# Altium PCB netv2mvp-testhat-v1-route.PCBDOC (part 1 of 2)
Units mm, origin at the board's own origin, x right, y up, seen from the top; angles counter-clockwise.
Board outline 90.8 x 114.86 mm, 4 copper layers (L1, L2, L5, L6), stack 1.561 mm thick; 144 components, 114 nets, 1118 pads, 195 vias.
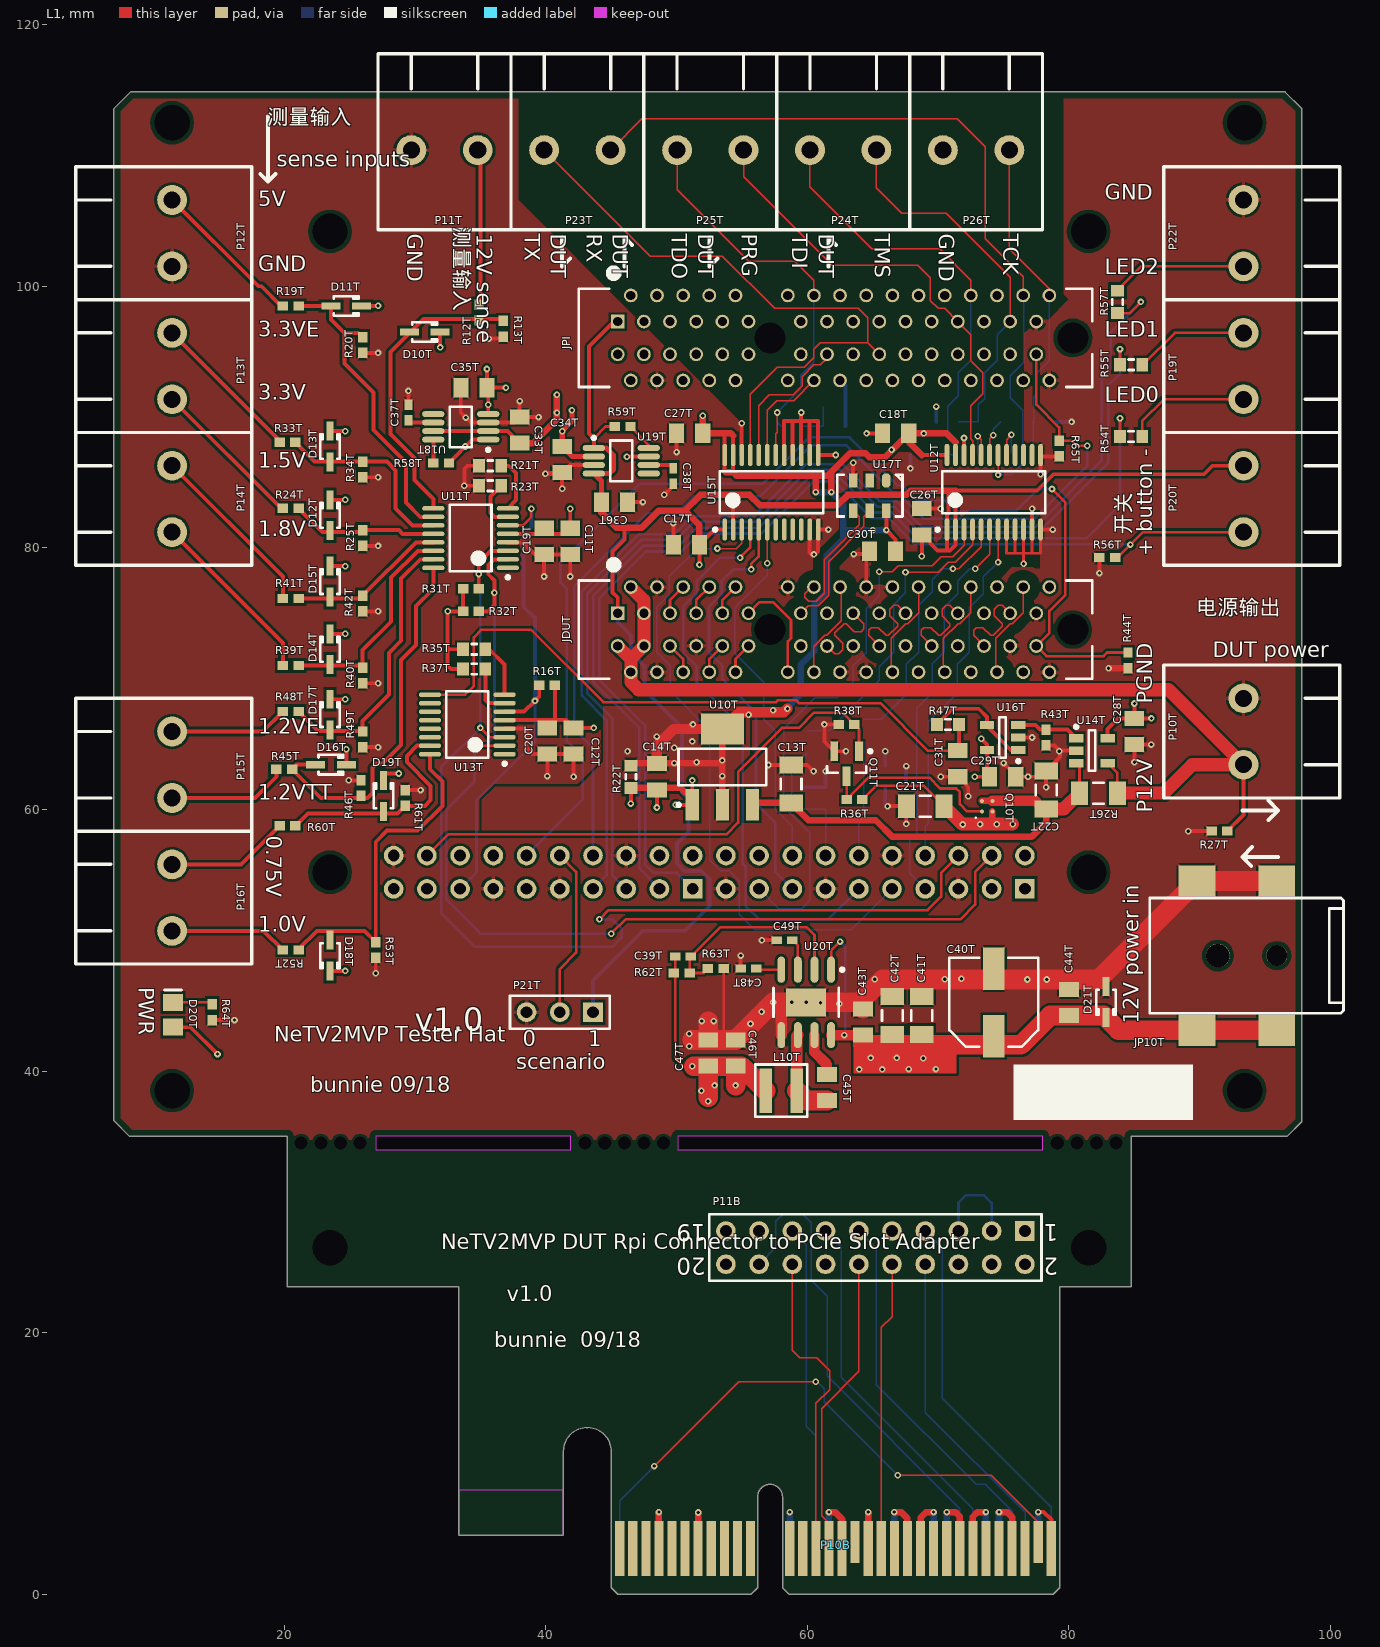
[diagram p0: L1 view]
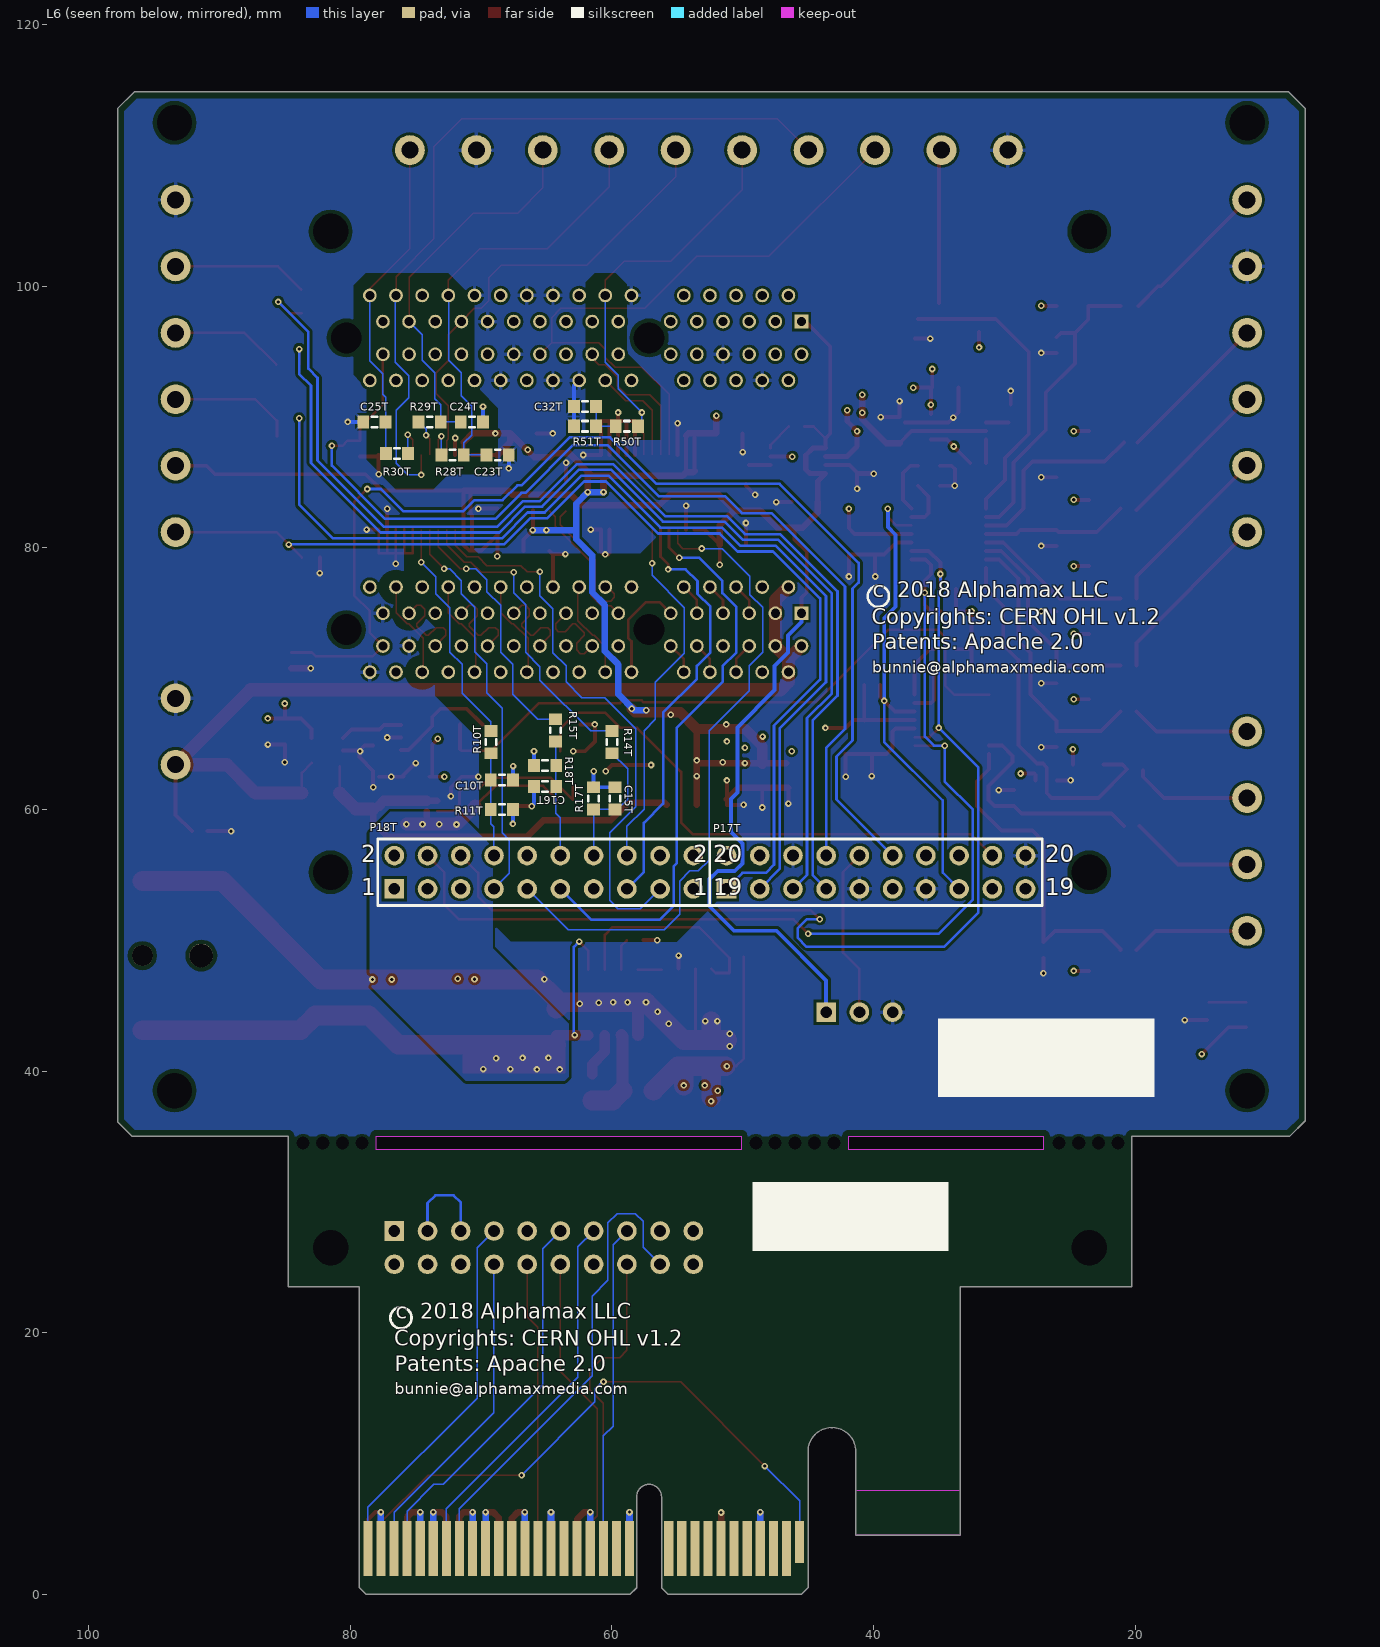
[diagram p1: L6 view, seen from below]
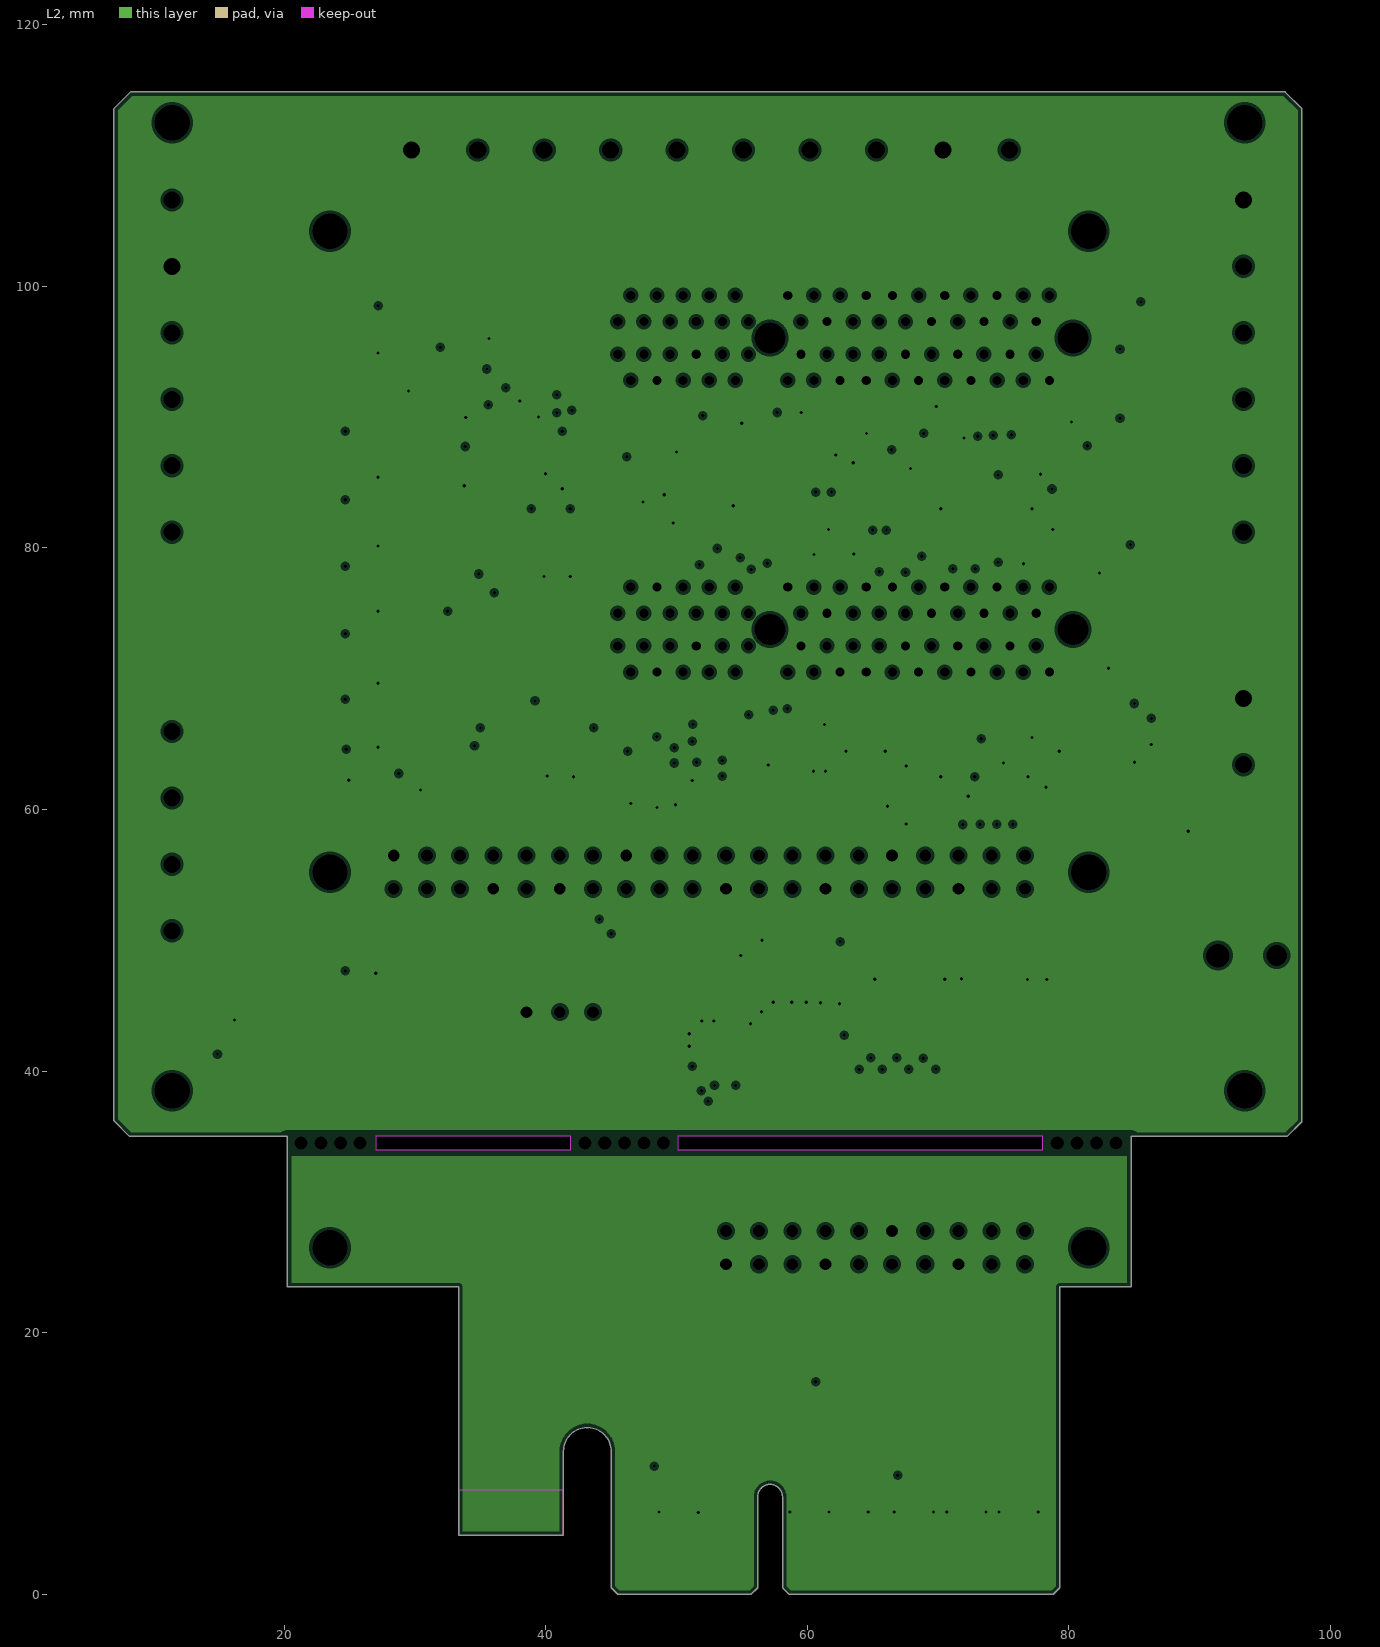
[diagram p2: L2, clearances drawn from the general rule]
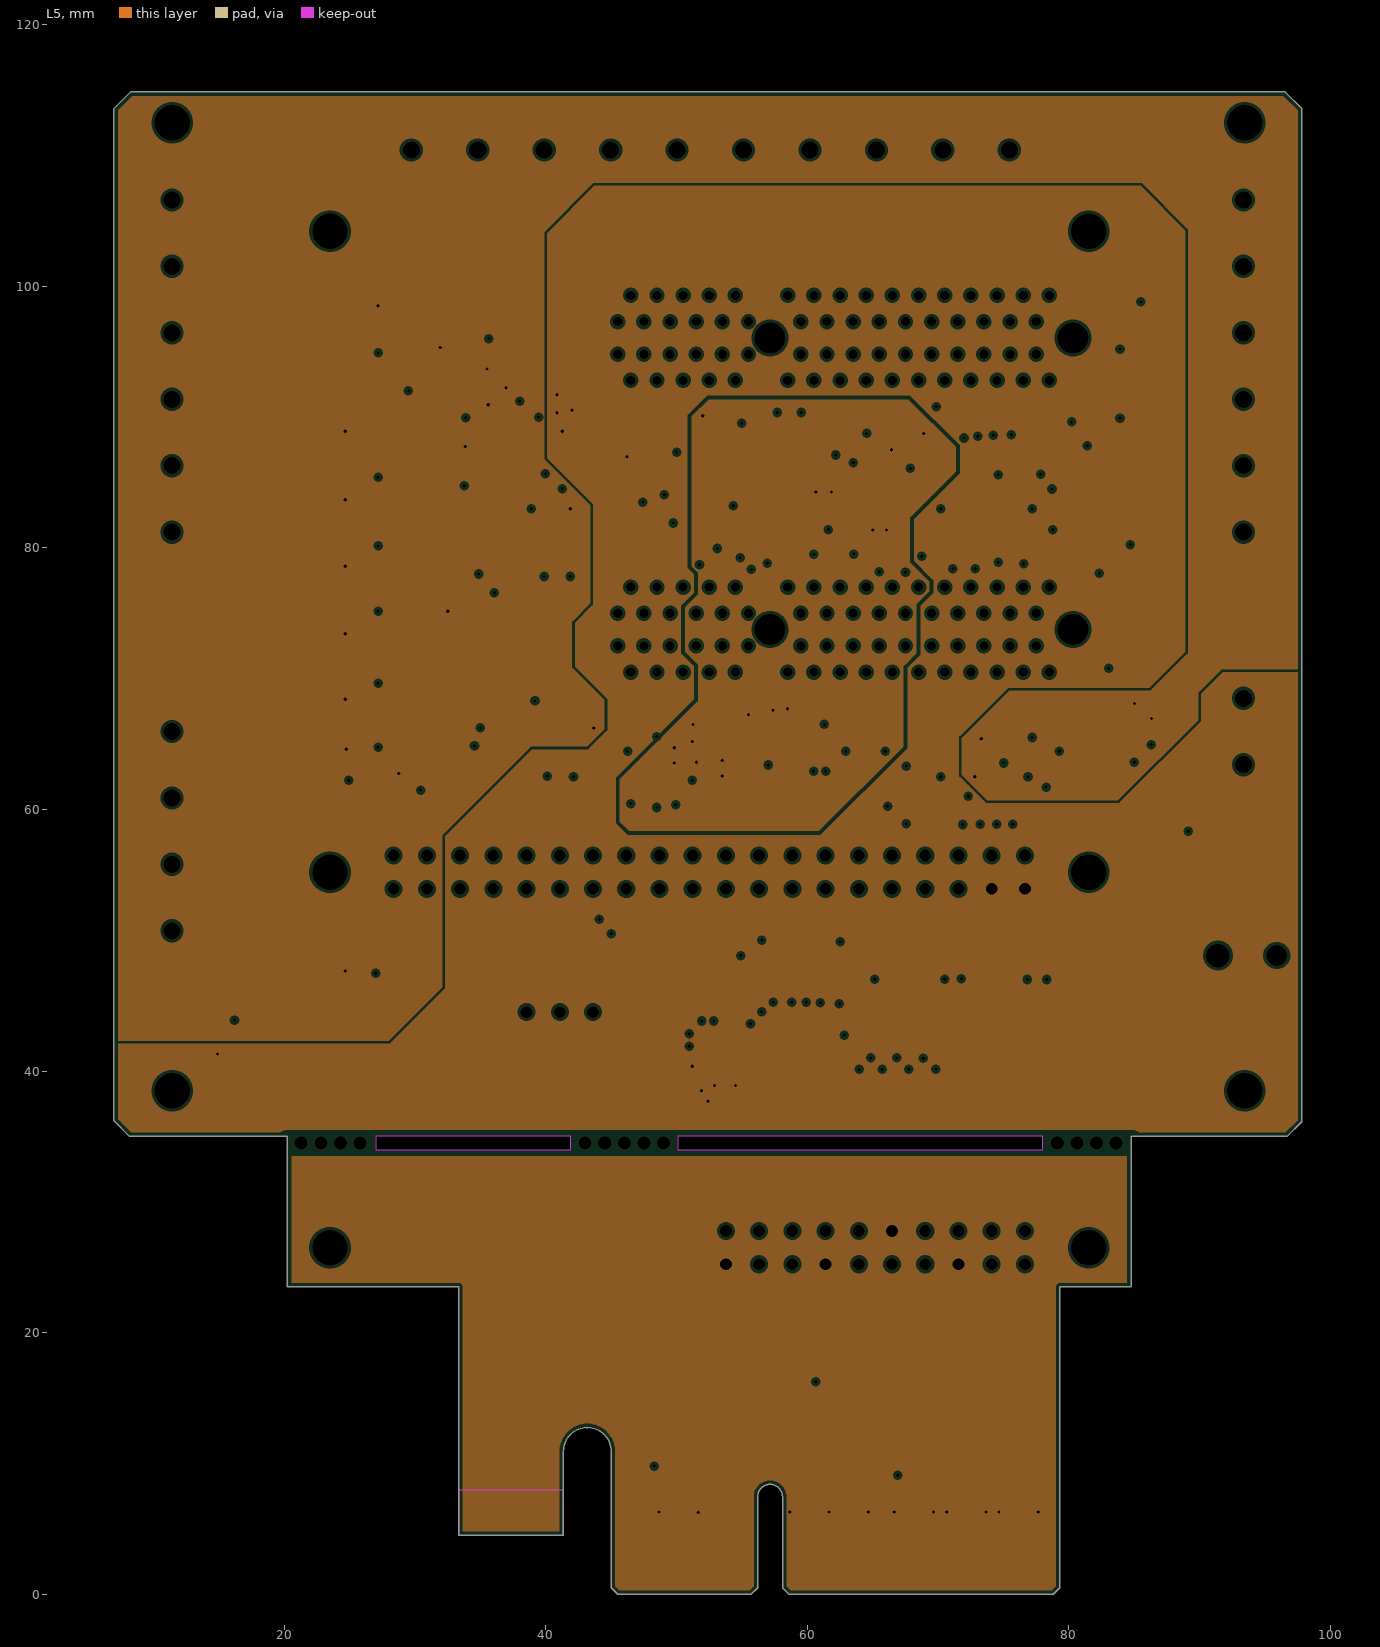
[diagram p3: L5, clearances drawn from the general rule]

## Layer stack, top to bottom
TopSolder: solder mask 0.0102, Solder Resist, Dk 3.5
L1: signal copper 0.045
Dielectric1: core 0.1, FR-4, Dk 4.3
L2: plane copper 0.0356, net GND
Dielectric4: prepreg 1.2, FR-4, Dk 4.3
L5: plane copper 0.0356, net (Multiple Nets)
Dielectric5: core 0.1, FR-4, Dk 4.2
L6: signal copper 0.045
BottomSolder: solder mask 0.0102, Solder Resist, Dk 3.5

## Board outline
20.25,23.5 33.35,23.5 33.35,4.5 41.35,4.5 41.35,10.925 cw(c43.175,10.925) 45,10.925 45,0.5 45.5,0 55.7,0 56.2,0.5 56.2,7.45 cw(c57.15,7.45) 58.1,7.45 58.1,0.5 58.6,0 78.8,0 79.3,0.5 79.3,23.5 84.75,23.5 84.75,35 96.67,35 97.79,36.12 97.79,113.585 96.52,114.855 8.255,114.855 6.985,113.585 6.985,36.195 8.18,35 20.25,35
cut-out: 50.1,35 50.1,34 78,34 78,35
cut-out: 27,35 27,34 41.9,34 41.9,35

## Design rules (kind name [scope] priority, off if disabled: settings)
BoardOutlineClearance [All] p1: gap=0.5 ignorepadtopadclearanceinfootprint=FALSE except(0: Arc-SplitContinuation Track-SplitContinuation SMDPad-SplitContinuation THPad-SplitContinuation Via-SplitContinuation Fill-SplitContinuation Poly-SplitContinuation Region-SplitContinuation Text-SplitContinuation)
Clearance Clearance_poly_Z [InPolygon vs InNetClass('B0_SE40') OR InNetClass('B1_SE40') OR InNetClass('B2_SE40') OR InNetClass('B3_SE40') OR InNetClass('SE40') OR InNetClass('SE45_HAX') OR InNetClass('ETH')] p1: gap=0.7 ignorepadtopadclearanceinfootprint=FALSE // polygon to impedance controlled line
Clearance Clearance_poly_diff [InPolygon vs (InDifferentialPairClass('All Differential Pairs'))] p2: gap=0.8 ignorepadtopadclearanceinfootprint=FALSE // Polygon to diff pair rule
Clearance "Basic Clearance_SE_Z" [(InNetClass('B0_SE40') OR InNetClass('B1_SE40') OR InNetClass('B2_SE40') OR InNetClass('B3_SE40') OR InNetClass('SE40') OR InNetClass('SE45_HAX'))] p3: gap=0.09 ignorepadtopadclearanceinfootprint=FALSE // basic clearance rule
Clearance Clearance_NPTH [PadIsPlated = 'False'] p4: gap=0.3 ignorepadtopadclearanceinfootprint=FALSE
Clearance "Clearance_Edge Connector" [(InComponentClass('Edge Connector')) vs (InComponentClass('Edge Connector'))] p5: gap=0.2 ignorepadtopadclearanceinfootprint=FALSE except(0: Arc-Hole Track-Hole SMDPad-Hole THPad-Hole Via-Hole Fill-Hole Poly-Hole Region-Hole Text-Hole)
Clearance "Basic Clearance" [All] p6: gap=0.1 ignorepadtopadclearanceinfootprint=FALSE except(0.2: Arc-Poly Arc-Region Arc-Hole Track-Poly Track-Region Track-Hole SMDPad-Poly SMDPad-Region SMDPad-Hole THPad-Poly THPad-Region THPad-Hole Via-Poly Via-Region Via-Hole Fill-Poly Fill-Region Fill-Hole Poly-Poly Poly-Region Poly-Hole Region-Region Region-Hole Text-Hole) // basic clearance rule
Clearance Clearance_internal_plane [InPolygon] p7: gap=0.2 ignorepadtopadclearanceinfootprint=FALSE
ComponentClearance [All] p1 off: gap=0.254 collisioncheckmode=3 verticalgap=0.254 showdistances=FALSE
DiffPairsRouting DiffPairsRouting_PCIE [InDifferentialPairClass('PCIE')] p1: maxlimit=0.2 minlimit=0.14 mostfreqgap=0.14 toplayer_minwidth=0.1 toplayer_maxwidth=0.15 toplayer_prefwidth=0.13 bottomlayer_minwidth=0.1 bottomlayer_maxwidth=0.15 bottomlayer_prefwidth=0.13 maxuncoupledlength=12
DiffPairsRouting DiffPairsRouting_100DP [(InNetClass('HDMI_CNR') OR InNetClass('HDMI_TX'))] p2: maxlimit=0.25 minlimit=0.1 mostfreqgap=0.2 toplayer_minwidth=0.099 toplayer_maxwidth=0.18 toplayer_prefwidth=0.099 bottomlayer_minwidth=0.099 bottomlayer_maxwidth=0.18 bottomlayer_prefwidth=0.099 maxuncoupledlength=6 // 100 ohm DP rule
DiffPairsRouting DiffPairsRouting_90DP [InDifferentialPair('USB_D') OR InDifferentialPairClass('HAX_DP') OR InDifferentialPairClass('PCI_DP') OR InDifferentialPairClass('USB')] p3: maxlimit=0.25 minlimit=0.13 mostfreqgap=0.13 toplayer_minwidth=0.111 toplayer_maxwidth=0.225 toplayer_prefwidth=0.111 bottomlayer_minwidth=0.111 bottomlayer_maxwidth=0.225 bottomlayer_prefwidth=0.111 maxuncoupledlength=6 // 90 ohm diff pair
DiffPairsRouting DiffPairsRouting_80DP [InDifferentialPair('DDR3_CK') OR InDifferentialPair('DDR3_DQS0') OR InDifferentialPair('DDR3_DQS1') OR InDifferentialPair('DDR3_DQS2') OR InDifferentialPair('DDR3_DQS3') OR InDifferentialPair('REFCLK')] p4: maxlimit=0.25 minlimit=0.1 mostfreqgap=0.14 toplayer_minwidth=0.1 toplayer_maxwidth=0.235 toplayer_prefwidth=0.13 bottomlayer_minwidth=0.1 bottomlayer_maxwidth=0.235 bottomlayer_prefwidth=0.13 maxuncoupledlength=6 // 80ohm DP rule
DiffPairsRouting DiffPairsRouting_generic [All] p5: maxlimit=0.25 minlimit=0.2 mostfreqgap=0.2 toplayer_minwidth=0 toplayer_maxwidth=0.18 toplayer_prefwidth=0.1 bottomlayer_minwidth=0 bottomlayer_maxwidth=0.18 bottomlayer_prefwidth=0.1 maxuncoupledlength=6 // basic diff pair rule
FabricationTestPointUsage TestPointUsage [All] p1: valid=0 allowmultiple=FALSE
FabricationTestpoint Testpoint [All] p1: side=3 testpointundercomponent=TRUE minsize=1.016 maxsize=2.54 preferedsize=1.524 minholesize=0.508 maxholesize=1.016 preferedholesize=0.813 testpointgrid=0.025 allowsidetop=TRUE allowsidebottom=TRUE usegrid=TRUE gridtolerance=0
Height "PCI Express Mini, \"Component height constraints\", Page 18, bottom side" [OnBottomLayer] p1: minheight=0 maxheight=1.35 prefheight=1.35
Height "PCI Express Mini, \"Component height constraints\", Page 18, top side" [OnTopLayer] p2: minheight=0 maxheight=2.4 prefheight=2.4
Height "PCI Express, Page 84, \"Component Height Constraints\" for solder side" [OnBottomLayer] p3: minheight=0 maxheight=2.67 prefheight=2.67
Height "PCI Express, Page 84, \"Component Height Constraints\" for component side" [OnTopLayer] p4: minheight=0 maxheight=14.47 prefheight=14.47
HoleSize [All] p1: absolutevalues=TRUE maxlimit=3 minlimit=0.25 maxpercent=80.000 minpercent=20.000
HoleToHoleClearance [All] p1: gap=0.2 allowstackedmicrovias=TRUE
MatchedLengths MatchedLengths_DDR_CLOCKS_STROBES [InxSignalClass('ADDR_PP1_1') OR InxSignalClass('ADDR_PP2_1') OR InxSignalClass('DATA_BL0_1') OR InxSignalClass('DATA_BL1_1') OR InxSignalClass('DATA_BL2_1') OR InxSignalClass('DATA_BL3_1')] p1: tolerance=0.6 checknetsindiffpair=TRUE checkdiffpairvsdiffpair=FALSE checkxsignals=FALSE checkothers=FALSE
MatchedLengths MatchedLengths_DATA_BL3_1 [InxSignalClass('DATA_BL3_1')] p2: tolerance=5 checknetsindiffpair=FALSE checkdiffpairvsdiffpair=TRUE checkxsignals=TRUE checkothers=TRUE
MatchedLengths MatchedLengths_DATA_BL2_1 [InxSignalClass('DATA_BL2_1')] p3: tolerance=5 checknetsindiffpair=FALSE checkdiffpairvsdiffpair=TRUE checkxsignals=TRUE checkothers=TRUE
MatchedLengths MatchedLengths_DATA_BL1_1 [InxSignalClass('DATA_BL1_1')] p4: tolerance=5 checknetsindiffpair=FALSE checkdiffpairvsdiffpair=TRUE checkxsignals=TRUE checkothers=TRUE
MatchedLengths MatchedLengths_DATA_BL0_1 [InxSignalClass('DATA_BL0_1')] p5: tolerance=5 checknetsindiffpair=FALSE checkdiffpairvsdiffpair=TRUE checkxsignals=TRUE checkothers=TRUE
MatchedLengths MatchedLengths_ADDR_PP2_1 [InxSignalClass('ADDR_PP2_1')] p6: tolerance=6 checknetsindiffpair=FALSE checkdiffpairvsdiffpair=TRUE checkxsignals=TRUE checkothers=TRUE
MatchedLengths MatchedLengths_ADDR_PP1_1 [InxSignalClass('ADDR_PP1_1')] p7: tolerance=6 checknetsindiffpair=FALSE checkdiffpairvsdiffpair=TRUE checkxsignals=TRUE checkothers=TRUE
MinimumAnnularRing [All] p1: minimumring=0.05
MinimumSolderMaskSliver [All] p1: minsoldermaskwidth=0.07
PlaneClearance [All] p1: clearance=0.24
PlaneConnect [All] p1: planeconnectstyle=Direct reliefexpansion=0.508 reliefentries=4 reliefconductorwidth=0.254 reliefairgap=0.254
PolygonConnect [All] p1: thpad.connectstyle=Relief thpad.reliefconductorwidth=0.3 thpad.reliefentries=4 thpad.polygonreliefangle="90 Angle" thpad.airgapwidth=0.2 smdpad.connectstyle=Relief smdpad.reliefconductorwidth=0.2 smdpad.reliefentries=4 smdpad.polygonreliefangle="45 Angle" smdpad.airgapwidth=0.15 via.connectstyle=Direct via.reliefconductorwidth=0.25 via.reliefentries=4 via.polygonreliefangle="90 Angle" via.airgapwidth=0.15
RoomDefinition testhat1 [InComponentClass('testhat1')] p1 off: confinementstyle=ConfineIn formatcopy=TRUE lockcomponents=FALSE outline 109,45.132 114.5,45.132 114.5,87.559 109,87.559
RoomDefinition pi2pci [InComponentClass('pi2pci')] p2 off: confinementstyle=ConfineIn formatcopy=TRUE lockcomponents=FALSE outline -100,-100 -49.2,-100 -49.2,-74.6 -100,-74.6
RoutingTopology RoutingTopology_DDRAddressAndControls [InNetClass('DDR_AddressAndControls')] p1: topology=Daisy_Simple
RoutingTopology [All] p2: topology=Shortest
RoutingVias [All] p1: holewidth=0.25 width=0.5 viastyle="Through Hole" minholewidth=0.2 minwidth=0.45 maxholewidth=0.35 maxwidth=0.7
ShortCircuit ShortCircuit_mounting [InComponent('P10X') or InComponent('P11X') vs OnLayer('KeepOutLayer')] p1: allowed=TRUE
ShortCircuit [All] p2: allowed=FALSE
SilkToSilkClearance [All] p1 off: silktosilkclearance=0.254
SilkToSolderMaskClearance SilkscreenOverComponentPads [IsPad] p1 off: minsilkscreentomaskgap=0.254 clearancetoexposedcopper=TRUE
SolderMaskExpansion [All] p1: expansion=0.07
SupplyNets SupplyNets_3 [InNet('VTT')] p1: voltage=750.0m
SupplyNets SupplyNets_2 [InNet('P1.5V_IO')] p2: voltage=1.500
SupplyNets SupplyNets_1 [InNet('P1.5V_D')] p3: voltage=1.500
SupplyNets [InNet('P1.5V')] p4: voltage=1.500
Width Width_45SE [(InNetClass('B0_SE40') OR InNetClass('B1_SE40') OR InNetClass('B2_SE40') OR InNetClass('B3_SE40') OR InNetClass('SE40') OR InNetClass('SE45_HAX'))] p1: maxlimit=2 minlimit=0.11 preferedwidth=0.12 minimp=50.000000 maximp=50.000000 favimp=50.000000 // 45 ohm SE rule
Width Width_basic [All] p2: maxlimit=2 minlimit=0.097 preferedwidth=0.1 minimp=50.000000 maximp=50.000000 favimp=50.000000
16 further rules are at their usual default settings.

## Classes and differential pairs
component class pi2pci: P10B P11B
differential pair REFCLK: +REFCLK_P -REFCLK_N
differential pair PET3: +PET3_P -PET3_N
differential pair PET2: +PET2_P -PET2_N
differential pair PET1: +PET1_P -PET1_N
differential pair PET0: +PET0_P -PET0_N

## Components (designator, comment, footprint, x,y, rotation, side; value= is the part's Value field where it differs from the comment)
C10T "DNP" RESC1608N 68.4,62.25 r0 bottom
C11T "0.1uF, 50V, X7R" CAPC2012N 41.87,80.5 r270 top
C12T "10uF, 10V, X5R" CAPC2012N 42.12,65.235 r270 top
C13T "10uF, 25V" CAPC3216N 58.75,61.95 r270 top
C14T "10uF, 10V, X5R" CAPC2012N 48.5,62.5 r270 top
C15T "DNP" RESC1608N 59.75,60.85 r270 bottom
C16T "DNP" RESC1608N 65.1,61.75 r180 bottom
C17T "0.1uF, 50V, X7R" CAPC2012N 50.75,80.25 r180 top
C18T "0.1uF, 50V, X7R" CAPC2012N 66.75,88.75 r180 top
C19T "0.1uF, 50V, X7R" CAPC2012N 39.87,80.5 r270 top
C20T "10uF, 10V, X5R" CAPC2012N 40.12,65.235 r270 top
C21T "10uF, 25V" CAPC3216N 69.01,60.25 r0 top
C22T "10uF, 25V" CAPC3216N 78.25,61.5 r270 top
C23T "DNP" RESC1608N 68.725,87.1 r0 bottom
C24T "DNP" RESC1608N 70.7,89.625 r0 bottom
C25T "DNP" RESC1608N 78.15,89.625 r180 bottom
C26T "0.1uF, 50V, X7R" CAPC2012N 68.75,82 r90 top
C27T "0.1uF, 50V, X7R" CAPC2012N 51,88.75 r180 top
C28T "0.1uF, 50V, X7R" CAPC2012N 85,65.96 r270 top
C29T "0.1uF, 50V, X7R" CAPC2012N 74.93,62.5 r0 top
C30T "0.1uF, 50V, X7R" CAPC2012N 65.75,79.75 r180 top
C31T "DNP" CAPC2012N 71.5,63.5 r270 top
C32T "DNP" RESC1608N 62.05,90.8 r180 bottom
C33T "10uF, 10V, X5R" CAPC2012N 38,89 r90 top
C34T "10uF, 10V, X5R" CAPC2012N 41.25,86.75 r270 top
C35T "10uF, 10V, X5R" CAPC2012N 34.5,92.25 r180 top
C36T "10uF, 10V, X5R" CAPC2012N 45.25,83.5 r0 top
C37T "0.033uF, 16V, X7R" CAPC1005N 29.5,90.35 r270 top
C38T "0.033uF, 16V, X7R" CAPC1005N 49.75,85.5 r90 top
C39T "10pF, 50V, NP0" CAPC1005N 50.5,48.75 r0 top
C40T "47uF, 25V, 20%" CAPAE7066X61N 74.25,45.25 r90 top
C41T "10uF, 25V" CAPC3216N 68.75,44.25 r270 top
C42T "10uF, 25V" CAPC3216N 66.5,44.25 r270 top
C43T "0.1uF, 50V, X7R" CAPC2012N 64.25,43.75 r90 top
C44T "0.1uF, 50V, X7R" CAPC2012N 80,45.25 r90 top
C45T "0.1uF, 50V, X7R" CAPC2012N 61.5,38.75 r90 top
C46T "22uF, 10V, X5R, 20%" CAPC2012N 54.51,41.371 r90 top
C47T "22uF, 10V, X5R, 20%" CAPC2012N 52.41,41.371 r90 top
C48T "3300pF, 25V, X7R" CAPC1005N 55.5,47.83 r180 top
C49T "1.0uF, 16V, X5R" CAPC1005N 58.25,50.005 r180 top
D10T "NSR0530HT1G" SOD-323 30.75,96.5 r0 top
D11T "NSR0530HT1G" SOD-323 24.75,98.5 r0 top
D12T "NSR0530HT1G" SOD-323 23.5,82.5 r90 top
D13T "NSR0530HT1G" SOD-323 23.5,87.75 r90 top
D14T "NSR0530HT1G" SOD-323 23.5,72.25 r90 top
D15T "NSR0530HT1G" SOD-323 23.5,77.425 r90 top
D16T "NSR0530HT1G" SOD-323 23.575,63.425 r0 top
D17T "NSR0530HT1G" SOD-323 23.5,67.25 r90 top
D18T "NSR0530HT1G" SOD-323 23.5,48.83 r270 top
D19T "NSR0530HT1G" SOD-323 27.6,61.03 r90 top
D20T "white LED" CD2012-0805 11.5,44.3 r90 top
D21T "PESD24VS1UA,115" SOD-323 82.82,45.275 r270 top
JDUT "87715-9106" BTB1-00-2V64 45.5,75 r0 top
JP10T "2.1mm x 5.5mm DC jack" CUI_PJ_002AH_SMT 91.385,48.83 r180 top